# KiCad board PANEL7x5_ADS1293.kicad_pcb (continued)
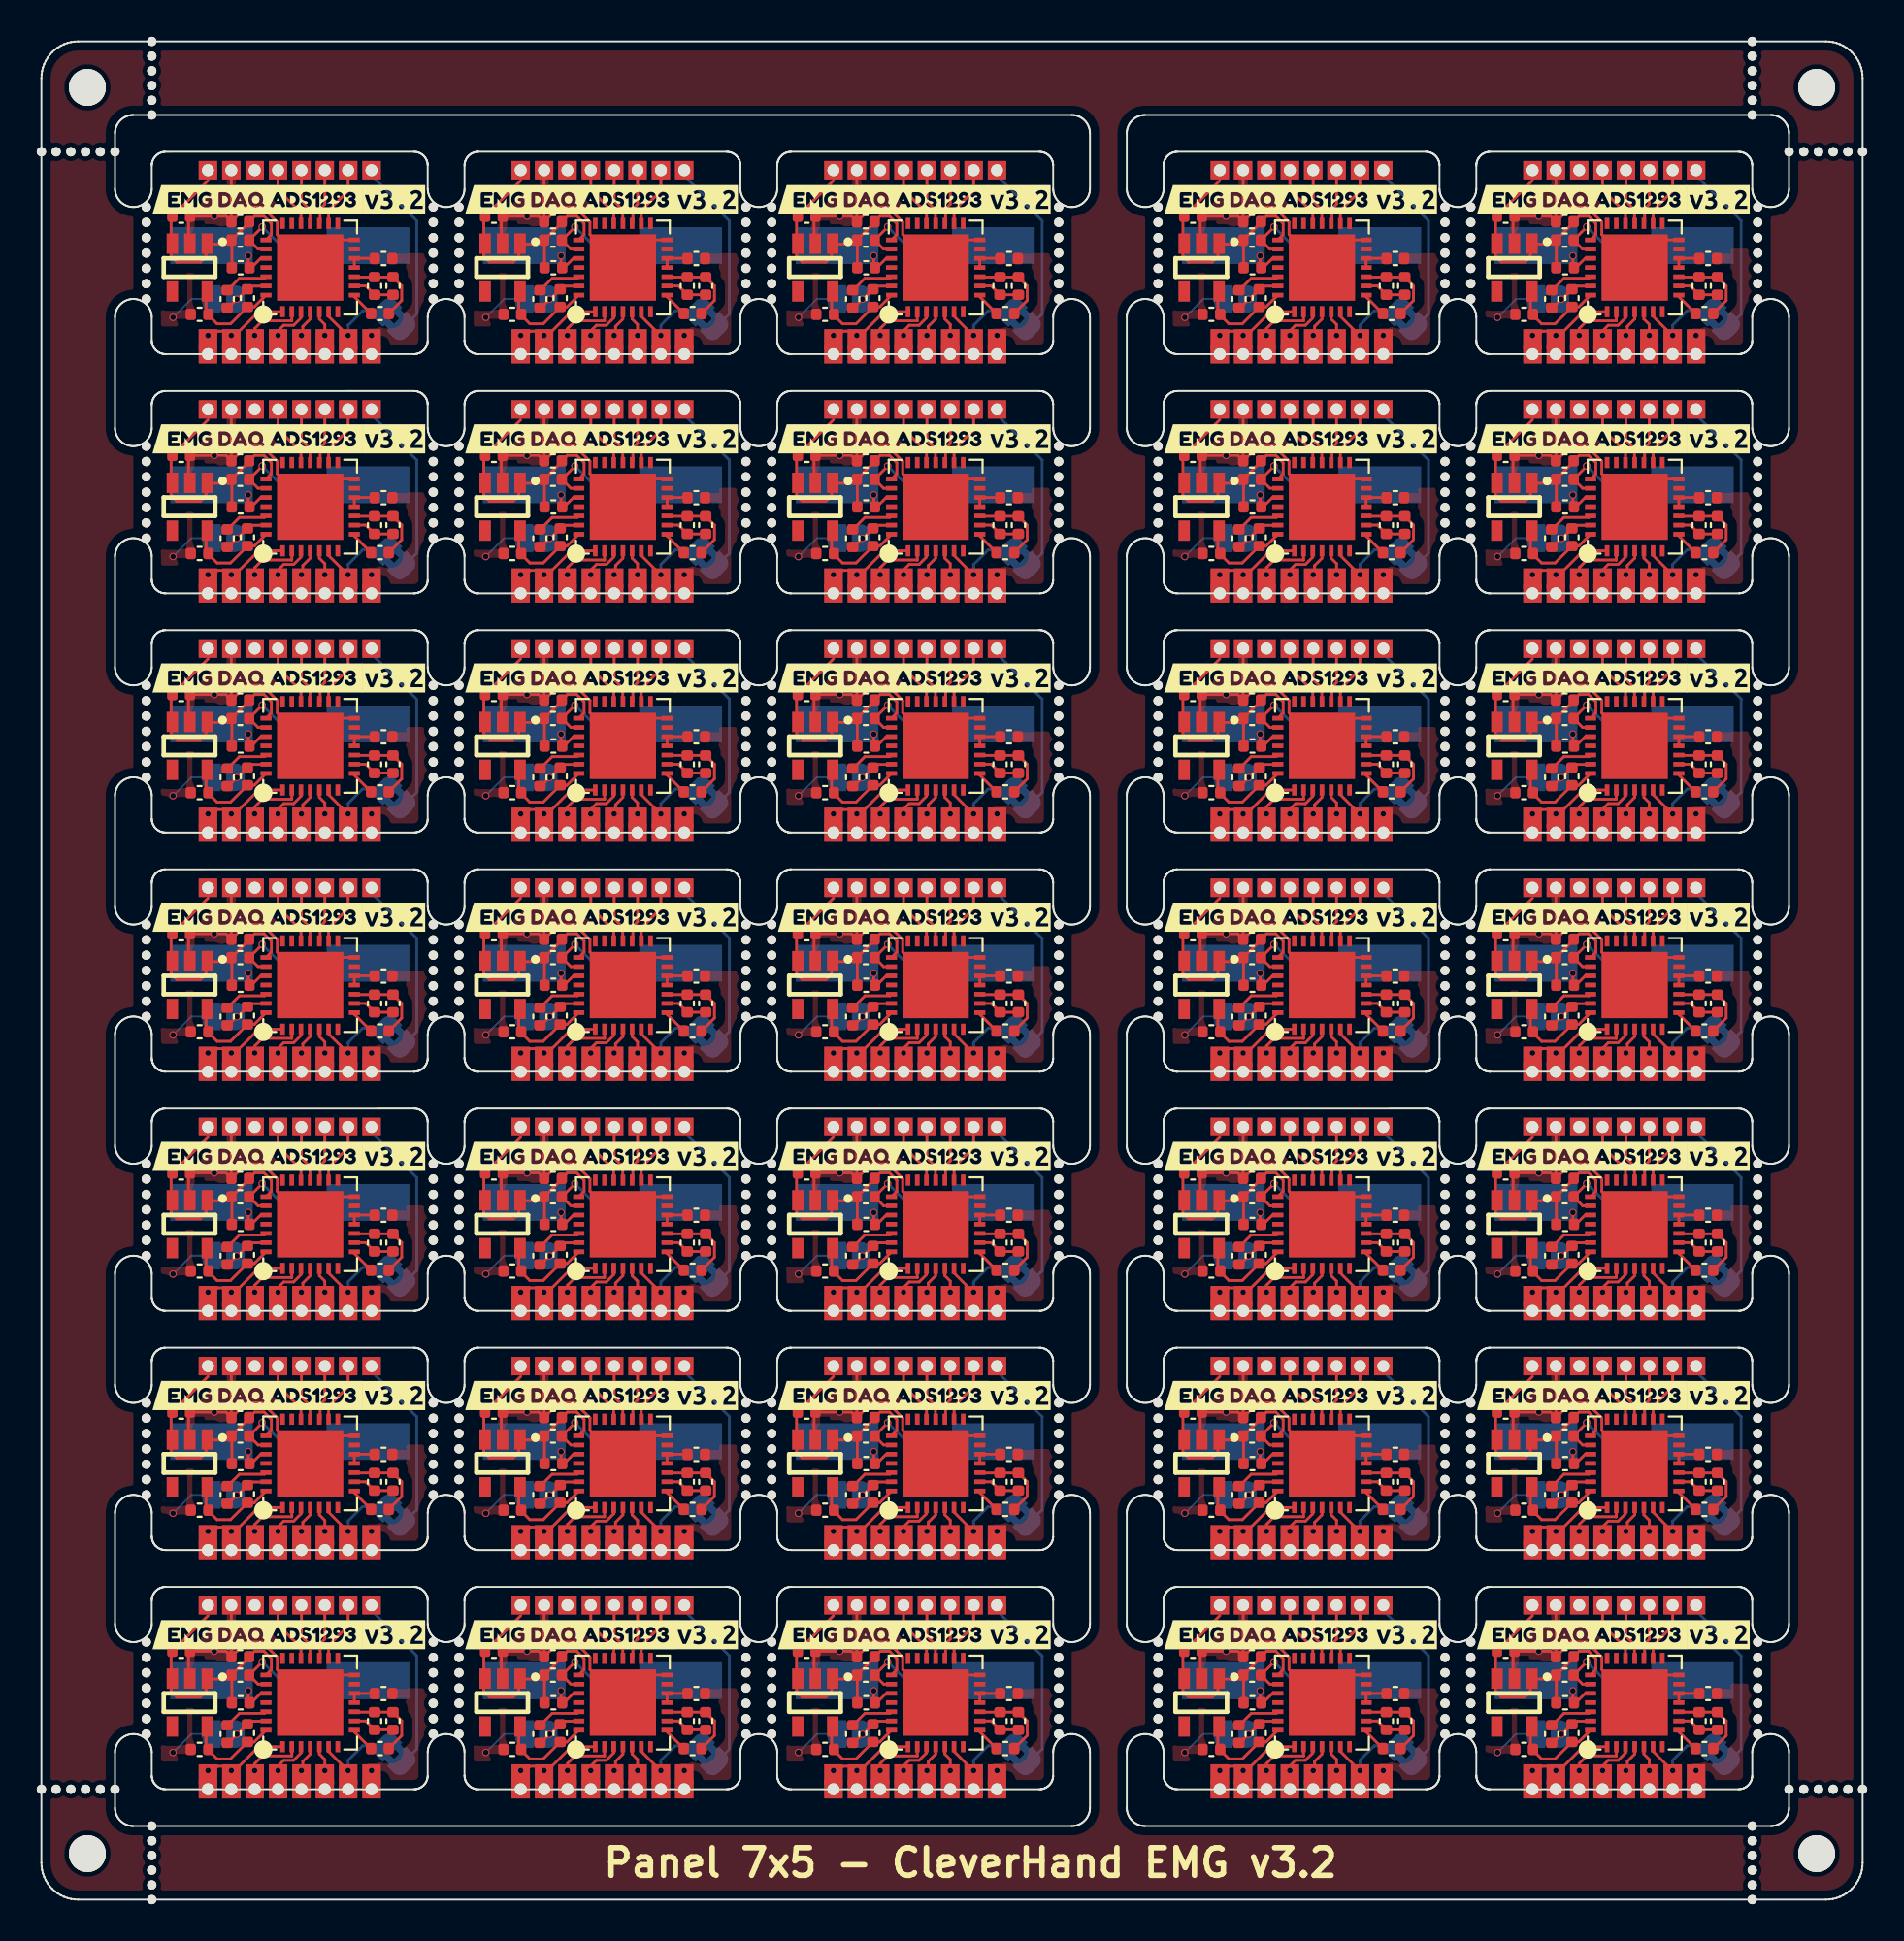
[diagram p0: board, top side]
## Placement (name value [footprint] x y rotation side) (continued)
J14  Conn_01x01_Pin  [PinHeader_1x01_P1.27mm_Vertical]  82.33 42 0 top
J14#2  Conn_01x01_Pin  [PinHeader_1x01_P1.27mm_Vertical]  44.33 68 0 top
J14#3  Conn_01x01_Pin  [PinHeader_1x01_P1.27mm_Vertical]  10.33 94 0 top
J14#4  Conn_01x01_Pin  [PinHeader_1x01_P1.27mm_Vertical]  27.33 29 0 top
J14#5  Conn_01x01_Pin  [PinHeader_1x01_P1.27mm_Vertical]  65.33 94 0 top
J14#6  Conn_01x01_Pin  [PinHeader_1x01_P1.27mm_Vertical]  27.33 68 0 top
J14#7  Conn_01x01_Pin  [PinHeader_1x01_P1.27mm_Vertical]  10.33 55 0 top
J14#8  Conn_01x01_Pin  [PinHeader_1x01_P1.27mm_Vertical]  82.33 68 0 top
J14#9  Conn_01x01_Pin  [PinHeader_1x01_P1.27mm_Vertical]  44.33 94 0 top
J14#10  Conn_01x01_Pin  [PinHeader_1x01_P1.27mm_Vertical]  10.33 16 0 top
J14#11  Conn_01x01_Pin  [PinHeader_1x01_P1.27mm_Vertical]  44.33 16 0 top
J14#12  Conn_01x01_Pin  [PinHeader_1x01_P1.27mm_Vertical]  65.33 29 0 top
J14#13  Conn_01x01_Pin  [PinHeader_1x01_P1.27mm_Vertical]  10.33 68 0 top
J14#14  Conn_01x01_Pin  [PinHeader_1x01_P1.27mm_Vertical]  44.33 29 0 top
J14#15  Conn_01x01_Pin  [PinHeader_1x01_P1.27mm_Vertical]  65.33 16 0 top
J14#16  Conn_01x01_Pin  [PinHeader_1x01_P1.27mm_Vertical]  27.33 42 0 top
J14#17  Conn_01x01_Pin  [PinHeader_1x01_P1.27mm_Vertical]  82.33 81 0 top
J14#18  Conn_01x01_Pin  [PinHeader_1x01_P1.27mm_Vertical]  10.33 29 0 top
J14#19  Conn_01x01_Pin  [PinHeader_1x01_P1.27mm_Vertical]  44.33 81 0 top
J14#20  Conn_01x01_Pin  [PinHeader_1x01_P1.27mm_Vertical]  65.33 55 0 top
J14#21  Conn_01x01_Pin  [PinHeader_1x01_P1.27mm_Vertical]  27.33 94 0 top
J14#22  Conn_01x01_Pin  [PinHeader_1x01_P1.27mm_Vertical]  82.33 94 0 top
J14#23  Conn_01x01_Pin  [PinHeader_1x01_P1.27mm_Vertical]  10.33 42 0 top
J14#24  Conn_01x01_Pin  [PinHeader_1x01_P1.27mm_Vertical]  82.33 16 0 top
J14#25  Conn_01x01_Pin  [PinHeader_1x01_P1.27mm_Vertical]  65.33 68 0 top
J14#26  Conn_01x01_Pin  [PinHeader_1x01_P1.27mm_Vertical]  82.33 55 0 top
J14#27  Conn_01x01_Pin  [PinHeader_1x01_P1.27mm_Vertical]  65.33 42 0 top
J14#28  Conn_01x01_Pin  [PinHeader_1x01_P1.27mm_Vertical]  10.33 81 0 top
J14#29  Conn_01x01_Pin  [PinHeader_1x01_P1.27mm_Vertical]  44.33 42 0 top
J14#30  Conn_01x01_Pin  [PinHeader_1x01_P1.27mm_Vertical]  27.33 16 0 top
J14#31  Conn_01x01_Pin  [PinHeader_1x01_P1.27mm_Vertical]  27.33 81 0 top
J14#32  Conn_01x01_Pin  [PinHeader_1x01_P1.27mm_Vertical]  27.33 55 0 top
J14#33  Conn_01x01_Pin  [PinHeader_1x01_P1.27mm_Vertical]  65.33 81 0 top
J14#34  Conn_01x01_Pin  [PinHeader_1x01_P1.27mm_Vertical]  82.33 29 0 top
J14#35  Conn_01x01_Pin  [PinHeader_1x01_P1.27mm_Vertical]  44.33 55 0 top
J15  Conn_01x01_Pin  [PinHeader_1x01_P1.27mm_Vertical]  33.68 84 0 top  (not fitted)
J15#2  Conn_01x01_Pin  [PinHeader_1x01_P1.27mm_Vertical]  16.68 32 0 top  (not fitted)
J15#3  Conn_01x01_Pin  [PinHeader_1x01_P1.27mm_Vertical]  16.68 19 0 top  (not fitted)
J15#4  Conn_01x01_Pin  [PinHeader_1x01_P1.27mm_Vertical]  50.68 58 0 top  (not fitted)
J15#5  Conn_01x01_Pin  [PinHeader_1x01_P1.27mm_Vertical]  71.67 71 0 top  (not fitted)
J15#6  Conn_01x01_Pin  [PinHeader_1x01_P1.27mm_Vertical]  88.68 6 0 top  (not fitted)
J15#7  Conn_01x01_Pin  [PinHeader_1x01_P1.27mm_Vertical]  88.68 58 0 top  (not fitted)
J15#8  Conn_01x01_Pin  [PinHeader_1x01_P1.27mm_Vertical]  88.68 19 0 top  (not fitted)
J15#9  Conn_01x01_Pin  [PinHeader_1x01_P1.27mm_Vertical]  16.68 6 0 top  (not fitted)
J15#10  Conn_01x01_Pin  [PinHeader_1x01_P1.27mm_Vertical]  71.67 58 0 top  (not fitted)
J15#11  Conn_01x01_Pin  [PinHeader_1x01_P1.27mm_Vertical]  88.68 71 0 top  (not fitted)
J15#12  Conn_01x01_Pin  [PinHeader_1x01_P1.27mm_Vertical]  50.68 71 0 top  (not fitted)
J15#13  Conn_01x01_Pin  [PinHeader_1x01_P1.27mm_Vertical]  33.68 6 0 top  (not fitted)
J15#14  Conn_01x01_Pin  [PinHeader_1x01_P1.27mm_Vertical]  50.68 32 0 top  (not fitted)
J15#15  Conn_01x01_Pin  [PinHeader_1x01_P1.27mm_Vertical]  71.67 19 0 top  (not fitted)
J15#16  Conn_01x01_Pin  [PinHeader_1x01_P1.27mm_Vertical]  33.68 71 0 top  (not fitted)
J15#17  Conn_01x01_Pin  [PinHeader_1x01_P1.27mm_Vertical]  16.68 58 0 top  (not fitted)
J15#18  Conn_01x01_Pin  [PinHeader_1x01_P1.27mm_Vertical]  71.67 84 0 top  (not fitted)
J15#19  Conn_01x01_Pin  [PinHeader_1x01_P1.27mm_Vertical]  71.67 45 0 top  (not fitted)
J15#20  Conn_01x01_Pin  [PinHeader_1x01_P1.27mm_Vertical]  88.68 32 0 top  (not fitted)
J15#21  Conn_01x01_Pin  [PinHeader_1x01_P1.27mm_Vertical]  33.68 58 0 top  (not fitted)
J15#22  Conn_01x01_Pin  [PinHeader_1x01_P1.27mm_Vertical]  33.68 19 0 top  (not fitted)
J15#23  Conn_01x01_Pin  [PinHeader_1x01_P1.27mm_Vertical]  33.68 45 0 top  (not fitted)
J15#24  Conn_01x01_Pin  [PinHeader_1x01_P1.27mm_Vertical]  88.68 84 0 top  (not fitted)
J15#25  Conn_01x01_Pin  [PinHeader_1x01_P1.27mm_Vertical]  50.68 84 0 top  (not fitted)
J15#26  Conn_01x01_Pin  [PinHeader_1x01_P1.27mm_Vertical]  16.68 45 0 top  (not fitted)
J15#27  Conn_01x01_Pin  [PinHeader_1x01_P1.27mm_Vertical]  50.68 45 0 top  (not fitted)
J15#28  Conn_01x01_Pin  [PinHeader_1x01_P1.27mm_Vertical]  50.68 6 0 top  (not fitted)
J15#29  Conn_01x01_Pin  [PinHeader_1x01_P1.27mm_Vertical]  50.68 19 0 top  (not fitted)
J15#30  Conn_01x01_Pin  [PinHeader_1x01_P1.27mm_Vertical]  88.68 45 0 top  (not fitted)
J15#31  Conn_01x01_Pin  [PinHeader_1x01_P1.27mm_Vertical]  71.67 32 0 top  (not fitted)
J15#32  Conn_01x01_Pin  [PinHeader_1x01_P1.27mm_Vertical]  16.68 71 0 top  (not fitted)
J15#33  Conn_01x01_Pin  [PinHeader_1x01_P1.27mm_Vertical]  16.68 84 0 top  (not fitted)
J15#34  Conn_01x01_Pin  [PinHeader_1x01_P1.27mm_Vertical]  71.67 6 0 top  (not fitted)
J15#35  Conn_01x01_Pin  [PinHeader_1x01_P1.27mm_Vertical]  33.68 32 0 top  (not fitted)
J16  Conn_01x01_Pin  [PinHeader_1x01_P1.27mm_Vertical]  34.95 71 180 top  (not fitted)
J16#2  Conn_01x01_Pin  [PinHeader_1x01_P1.27mm_Vertical]  34.95 19 180 top  (not fitted)
J16#3  Conn_01x01_Pin  [PinHeader_1x01_P1.27mm_Vertical]  72.94 84 180 top  (not fitted)
J16#4  Conn_01x01_Pin  [PinHeader_1x01_P1.27mm_Vertical]  17.95 19 180 top  (not fitted)
J16#5  Conn_01x01_Pin  [PinHeader_1x01_P1.27mm_Vertical]  17.95 71 180 top  (not fitted)
J16#6  Conn_01x01_Pin  [PinHeader_1x01_P1.27mm_Vertical]  51.95 84 180 top  (not fitted)
J16#7  Conn_01x01_Pin  [PinHeader_1x01_P1.27mm_Vertical]  89.94 6 180 top  (not fitted)
J16#8  Conn_01x01_Pin  [PinHeader_1x01_P1.27mm_Vertical]  89.94 32 180 top  (not fitted)
J16#9  Conn_01x01_Pin  [PinHeader_1x01_P1.27mm_Vertical]  89.94 71 180 top  (not fitted)
J16#10  Conn_01x01_Pin  [PinHeader_1x01_P1.27mm_Vertical]  34.95 45 180 top  (not fitted)
J16#11  Conn_01x01_Pin  [PinHeader_1x01_P1.27mm_Vertical]  89.94 58 180 top  (not fitted)
J16#12  Conn_01x01_Pin  [PinHeader_1x01_P1.27mm_Vertical]  51.95 6 180 top  (not fitted)
J16#13  Conn_01x01_Pin  [PinHeader_1x01_P1.27mm_Vertical]  34.95 6 180 top  (not fitted)
J16#14  Conn_01x01_Pin  [PinHeader_1x01_P1.27mm_Vertical]  89.94 19 180 top  (not fitted)
J16#15  Conn_01x01_Pin  [PinHeader_1x01_P1.27mm_Vertical]  34.95 58 180 top  (not fitted)
J16#16  Conn_01x01_Pin  [PinHeader_1x01_P1.27mm_Vertical]  34.95 84 180 top  (not fitted)
J16#17  Conn_01x01_Pin  [PinHeader_1x01_P1.27mm_Vertical]  17.95 6 180 top  (not fitted)
J16#18  Conn_01x01_Pin  [PinHeader_1x01_P1.27mm_Vertical]  51.95 32 180 top  (not fitted)
J16#19  Conn_01x01_Pin  [PinHeader_1x01_P1.27mm_Vertical]  17.95 32 180 top  (not fitted)
J16#20  Conn_01x01_Pin  [PinHeader_1x01_P1.27mm_Vertical]  51.95 58 180 top  (not fitted)
J16#21  Conn_01x01_Pin  [PinHeader_1x01_P1.27mm_Vertical]  72.94 19 180 top  (not fitted)
J16#22  Conn_01x01_Pin  [PinHeader_1x01_P1.27mm_Vertical]  51.95 45 180 top  (not fitted)
J16#23  Conn_01x01_Pin  [PinHeader_1x01_P1.27mm_Vertical]  72.94 58 180 top  (not fitted)
J16#24  Conn_01x01_Pin  [PinHeader_1x01_P1.27mm_Vertical]  51.95 71 180 top  (not fitted)
J16#25  Conn_01x01_Pin  [PinHeader_1x01_P1.27mm_Vertical]  72.94 32 180 top  (not fitted)
J16#26  Conn_01x01_Pin  [PinHeader_1x01_P1.27mm_Vertical]  51.95 19 180 top  (not fitted)
J16#27  Conn_01x01_Pin  [PinHeader_1x01_P1.27mm_Vertical]  17.95 84 180 top  (not fitted)
J16#28  Conn_01x01_Pin  [PinHeader_1x01_P1.27mm_Vertical]  72.94 6 180 top  (not fitted)
J16#29  Conn_01x01_Pin  [PinHeader_1x01_P1.27mm_Vertical]  17.95 45 180 top  (not fitted)
J16#30  Conn_01x01_Pin  [PinHeader_1x01_P1.27mm_Vertical]  89.94 84 180 top  (not fitted)
J16#31  Conn_01x01_Pin  [PinHeader_1x01_P1.27mm_Vertical]  17.95 58 180 top  (not fitted)
J16#32  Conn_01x01_Pin  [PinHeader_1x01_P1.27mm_Vertical]  89.94 45 180 top  (not fitted)
J16#33  Conn_01x01_Pin  [PinHeader_1x01_P1.27mm_Vertical]  72.94 45 180 top  (not fitted)
J16#34  Conn_01x01_Pin  [PinHeader_1x01_P1.27mm_Vertical]  34.95 32 180 top  (not fitted)
J16#35  Conn_01x01_Pin  [PinHeader_1x01_P1.27mm_Vertical]  72.94 71 180 top  (not fitted)
JP1  SolderJumper_2_Bridged  [SolderJumper-2_P1.3mm_Bridged2Bar_RoundedPad1.0x1.5mm]  64.91 87 0 bottom
JP1#2  SolderJumper_2_Bridged  [SolderJumper-2_P1.3mm_Bridged2Bar_RoundedPad1.0x1.5mm]  43.91 87 0 bottom
JP1#3  SolderJumper_2_Bridged  [SolderJumper-2_P1.3mm_Bridged2Bar_RoundedPad1.0x1.5mm]  9.91 74 0 bottom
JP1#4  SolderJumper_2_Bridged  [SolderJumper-2_P1.3mm_Bridged2Bar_RoundedPad1.0x1.5mm]  64.91 22 0 bottom
JP1#5  SolderJumper_2_Bridged  [SolderJumper-2_P1.3mm_Bridged2Bar_RoundedPad1.0x1.5mm]  43.91 22 0 bottom
JP1#6  SolderJumper_2_Bridged  [SolderJumper-2_P1.3mm_Bridged2Bar_RoundedPad1.0x1.5mm]  43.91 35 0 bottom
JP1#7  SolderJumper_2_Bridged  [SolderJumper-2_P1.3mm_Bridged2Bar_RoundedPad1.0x1.5mm]  64.91 74 0 bottom
JP1#8  SolderJumper_2_Bridged  [SolderJumper-2_P1.3mm_Bridged2Bar_RoundedPad1.0x1.5mm]  9.91 48 0 bottom
JP1#9  SolderJumper_2_Bridged  [SolderJumper-2_P1.3mm_Bridged2Bar_RoundedPad1.0x1.5mm]  43.91 9 0 bottom
JP1#10  SolderJumper_2_Bridged  [SolderJumper-2_P1.3mm_Bridged2Bar_RoundedPad1.0x1.5mm]  26.91 35 0 bottom
JP1#11  SolderJumper_2_Bridged  [SolderJumper-2_P1.3mm_Bridged2Bar_RoundedPad1.0x1.5mm]  43.91 61 0 bottom
JP1#12  SolderJumper_2_Bridged  [SolderJumper-2_P1.3mm_Bridged2Bar_RoundedPad1.0x1.5mm]  81.91 9 0 bottom
JP1#13  SolderJumper_2_Bridged  [SolderJumper-2_P1.3mm_Bridged2Bar_RoundedPad1.0x1.5mm]  9.91 61 0 bottom
JP1#14  SolderJumper_2_Bridged  [SolderJumper-2_P1.3mm_Bridged2Bar_RoundedPad1.0x1.5mm]  64.91 9 0 bottom
JP1#15  SolderJumper_2_Bridged  [SolderJumper-2_P1.3mm_Bridged2Bar_RoundedPad1.0x1.5mm]  43.91 48 0 bottom
JP1#16  SolderJumper_2_Bridged  [SolderJumper-2_P1.3mm_Bridged2Bar_RoundedPad1.0x1.5mm]  43.91 74 0 bottom
JP1#17  SolderJumper_2_Bridged  [SolderJumper-2_P1.3mm_Bridged2Bar_RoundedPad1.0x1.5mm]  9.91 35 0 bottom
JP1#18  SolderJumper_2_Bridged  [SolderJumper-2_P1.3mm_Bridged2Bar_RoundedPad1.0x1.5mm]  9.91 9 0 bottom
JP1#19  SolderJumper_2_Bridged  [SolderJumper-2_P1.3mm_Bridged2Bar_RoundedPad1.0x1.5mm]  81.91 48 0 bottom
JP1#20  SolderJumper_2_Bridged  [SolderJumper-2_P1.3mm_Bridged2Bar_RoundedPad1.0x1.5mm]  64.91 48 0 bottom
JP1#21  SolderJumper_2_Bridged  [SolderJumper-2_P1.3mm_Bridged2Bar_RoundedPad1.0x1.5mm]  81.91 74 0 bottom
JP1#22  SolderJumper_2_Bridged  [SolderJumper-2_P1.3mm_Bridged2Bar_RoundedPad1.0x1.5mm]  9.91 22 0 bottom
JP1#23  SolderJumper_2_Bridged  [SolderJumper-2_P1.3mm_Bridged2Bar_RoundedPad1.0x1.5mm]  26.91 61 0 bottom
JP1#24  SolderJumper_2_Bridged  [SolderJumper-2_P1.3mm_Bridged2Bar_RoundedPad1.0x1.5mm]  26.91 74 0 bottom
JP1#25  SolderJumper_2_Bridged  [SolderJumper-2_P1.3mm_Bridged2Bar_RoundedPad1.0x1.5mm]  64.91 35 0 bottom
JP1#26  SolderJumper_2_Bridged  [SolderJumper-2_P1.3mm_Bridged2Bar_RoundedPad1.0x1.5mm]  26.91 22 0 bottom
JP1#27  SolderJumper_2_Bridged  [SolderJumper-2_P1.3mm_Bridged2Bar_RoundedPad1.0x1.5mm]  81.91 61 0 bottom
JP1#28  SolderJumper_2_Bridged  [SolderJumper-2_P1.3mm_Bridged2Bar_RoundedPad1.0x1.5mm]  81.91 22 0 bottom
JP1#29  SolderJumper_2_Bridged  [SolderJumper-2_P1.3mm_Bridged2Bar_RoundedPad1.0x1.5mm]  81.91 87 0 bottom
JP1#30  SolderJumper_2_Bridged  [SolderJumper-2_P1.3mm_Bridged2Bar_RoundedPad1.0x1.5mm]  9.91 87 0 bottom
JP1#31  SolderJumper_2_Bridged  [SolderJumper-2_P1.3mm_Bridged2Bar_RoundedPad1.0x1.5mm]  26.91 87 0 bottom
JP1#32  SolderJumper_2_Bridged  [SolderJumper-2_P1.3mm_Bridged2Bar_RoundedPad1.0x1.5mm]  81.91 35 0 bottom
JP1#33  SolderJumper_2_Bridged  [SolderJumper-2_P1.3mm_Bridged2Bar_RoundedPad1.0x1.5mm]  26.91 48 0 bottom
JP1#34  SolderJumper_2_Bridged  [SolderJumper-2_P1.3mm_Bridged2Bar_RoundedPad1.0x1.5mm]  26.91 9 0 bottom
JP1#35  SolderJumper_2_Bridged  [SolderJumper-2_P1.3mm_Bridged2Bar_RoundedPad1.0x1.5mm]  64.91 61 0 bottom
JP2  SolderJumper_2_Bridged  [SolderJumper-2_P1.3mm_Bridged2Bar_RoundedPad1.0x1.5mm]  36.2 46.9 135 bottom
JP2#2  SolderJumper_2_Bridged  [SolderJumper-2_P1.3mm_Bridged2Bar_RoundedPad1.0x1.5mm]  19.2 33.9 135 bottom
JP2#3  SolderJumper_2_Bridged  [SolderJumper-2_P1.3mm_Bridged2Bar_RoundedPad1.0x1.5mm]  36.2 85.9 135 bottom
JP2#4  SolderJumper_2_Bridged  [SolderJumper-2_P1.3mm_Bridged2Bar_RoundedPad1.0x1.5mm]  19.2 46.9 135 bottom
JP2#5  SolderJumper_2_Bridged  [SolderJumper-2_P1.3mm_Bridged2Bar_RoundedPad1.0x1.5mm]  36.2 7.9 135 bottom
JP2#6  SolderJumper_2_Bridged  [SolderJumper-2_P1.3mm_Bridged2Bar_RoundedPad1.0x1.5mm]  19.2 20.9 135 bottom
JP2#7  SolderJumper_2_Bridged  [SolderJumper-2_P1.3mm_Bridged2Bar_RoundedPad1.0x1.5mm]  19.2 85.9 135 bottom
JP2#8  SolderJumper_2_Bridged  [SolderJumper-2_P1.3mm_Bridged2Bar_RoundedPad1.0x1.5mm]  74.2 20.9 135 bottom
JP2#9  SolderJumper_2_Bridged  [SolderJumper-2_P1.3mm_Bridged2Bar_RoundedPad1.0x1.5mm]  36.2 20.9 135 bottom
JP2#10  SolderJumper_2_Bridged  [SolderJumper-2_P1.3mm_Bridged2Bar_RoundedPad1.0x1.5mm]  74.2 46.9 135 bottom
JP2#11  SolderJumper_2_Bridged  [SolderJumper-2_P1.3mm_Bridged2Bar_RoundedPad1.0x1.5mm]  53.2 72.9 135 bottom
JP2#12  SolderJumper_2_Bridged  [SolderJumper-2_P1.3mm_Bridged2Bar_RoundedPad1.0x1.5mm]  91.2 7.9 135 bottom
JP2#13  SolderJumper_2_Bridged  [SolderJumper-2_P1.3mm_Bridged2Bar_RoundedPad1.0x1.5mm]  91.2 33.9 135 bottom
JP2#14  SolderJumper_2_Bridged  [SolderJumper-2_P1.3mm_Bridged2Bar_RoundedPad1.0x1.5mm]  19.2 72.9 135 bottom
JP2#15  SolderJumper_2_Bridged  [SolderJumper-2_P1.3mm_Bridged2Bar_RoundedPad1.0x1.5mm]  74.2 72.9 135 bottom
JP2#16  SolderJumper_2_Bridged  [SolderJumper-2_P1.3mm_Bridged2Bar_RoundedPad1.0x1.5mm]  36.2 59.9 135 bottom
JP2#17  SolderJumper_2_Bridged  [SolderJumper-2_P1.3mm_Bridged2Bar_RoundedPad1.0x1.5mm]  74.2 7.9 135 bottom
JP2#18  SolderJumper_2_Bridged  [SolderJumper-2_P1.3mm_Bridged2Bar_RoundedPad1.0x1.5mm]  53.2 7.9 135 bottom
JP2#19  SolderJumper_2_Bridged  [SolderJumper-2_P1.3mm_Bridged2Bar_RoundedPad1.0x1.5mm]  36.2 33.9 135 bottom
JP2#20  SolderJumper_2_Bridged  [SolderJumper-2_P1.3mm_Bridged2Bar_RoundedPad1.0x1.5mm]  53.2 85.9 135 bottom
JP2#21  SolderJumper_2_Bridged  [SolderJumper-2_P1.3mm_Bridged2Bar_RoundedPad1.0x1.5mm]  74.2 33.9 135 bottom
JP2#22  SolderJumper_2_Bridged  [SolderJumper-2_P1.3mm_Bridged2Bar_RoundedPad1.0x1.5mm]  19.2 7.9 135 bottom
JP2#23  SolderJumper_2_Bridged  [SolderJumper-2_P1.3mm_Bridged2Bar_RoundedPad1.0x1.5mm]  91.2 72.9 135 bottom
JP2#24  SolderJumper_2_Bridged  [SolderJumper-2_P1.3mm_Bridged2Bar_RoundedPad1.0x1.5mm]  74.2 59.9 135 bottom
JP2#25  SolderJumper_2_Bridged  [SolderJumper-2_P1.3mm_Bridged2Bar_RoundedPad1.0x1.5mm]  74.2 85.9 135 bottom
JP2#26  SolderJumper_2_Bridged  [SolderJumper-2_P1.3mm_Bridged2Bar_RoundedPad1.0x1.5mm]  19.2 59.9 135 bottom
JP2#27  SolderJumper_2_Bridged  [SolderJumper-2_P1.3mm_Bridged2Bar_RoundedPad1.0x1.5mm]  53.2 46.9 135 bottom
JP2#28  SolderJumper_2_Bridged  [SolderJumper-2_P1.3mm_Bridged2Bar_RoundedPad1.0x1.5mm]  91.2 59.9 135 bottom
JP2#29  SolderJumper_2_Bridged  [SolderJumper-2_P1.3mm_Bridged2Bar_RoundedPad1.0x1.5mm]  91.2 85.9 135 bottom
JP2#30  SolderJumper_2_Bridged  [SolderJumper-2_P1.3mm_Bridged2Bar_RoundedPad1.0x1.5mm]  53.2 59.9 135 bottom
JP2#31  SolderJumper_2_Bridged  [SolderJumper-2_P1.3mm_Bridged2Bar_RoundedPad1.0x1.5mm]  53.2 20.9 135 bottom
JP2#32  SolderJumper_2_Bridged  [SolderJumper-2_P1.3mm_Bridged2Bar_RoundedPad1.0x1.5mm]  91.2 20.9 135 bottom
JP2#33  SolderJumper_2_Bridged  [SolderJumper-2_P1.3mm_Bridged2Bar_RoundedPad1.0x1.5mm]  53.2 33.9 135 bottom
JP2#34  SolderJumper_2_Bridged  [SolderJumper-2_P1.3mm_Bridged2Bar_RoundedPad1.0x1.5mm]  91.2 46.9 135 bottom
JP2#35  SolderJumper_2_Bridged  [SolderJumper-2_P1.3mm_Bridged2Bar_RoundedPad1.0x1.5mm]  36.2 72.9 135 bottom
kibuzzard-66CB9060  G***  [kibuzzard-66CB9060]  53.16 66.4 0 top
kibuzzard-66CB9060#2  G***  [kibuzzard-66CB9060]  91.16 92.4 0 top
kibuzzard-66CB9060#3  G***  [kibuzzard-66CB9060]  91.16 79.4 0 top
kibuzzard-66CB9060#4  G***  [kibuzzard-66CB9060]  19.16 27.4 0 top
kibuzzard-66CB9060#5  G***  [kibuzzard-66CB9060]  53.16 14.4 0 top
kibuzzard-66CB9060#6  G***  [kibuzzard-66CB9060]  36.16 66.4 0 top
kibuzzard-66CB9060#7  G***  [kibuzzard-66CB9060]  36.16 53.4 0 top
kibuzzard-66CB9060#8  G***  [kibuzzard-66CB9060]  74.16 79.4 0 top
kibuzzard-66CB9060#9  G***  [kibuzzard-66CB9060]  74.16 66.4 0 top
kibuzzard-66CB9060#10  G***  [kibuzzard-66CB9060]  53.16 27.4 0 top
kibuzzard-66CB9060#11  G***  [kibuzzard-66CB9060]  19.16 40.4 0 top
kibuzzard-66CB9060#12  G***  [kibuzzard-66CB9060]  36.16 79.4 0 top
kibuzzard-66CB9060#13  G***  [kibuzzard-66CB9060]  91.16 53.4 0 top
kibuzzard-66CB9060#14  G***  [kibuzzard-66CB9060]  36.16 92.4 0 top
kibuzzard-66CB9060#15  G***  [kibuzzard-66CB9060]  53.16 92.4 0 top
kibuzzard-66CB9060#16  G***  [kibuzzard-66CB9060]  19.16 79.4 0 top
kibuzzard-66CB9060#17  G***  [kibuzzard-66CB9060]  91.16 14.4 0 top
kibuzzard-66CB9060#18  G***  [kibuzzard-66CB9060]  91.16 40.4 0 top
kibuzzard-66CB9060#19  G***  [kibuzzard-66CB9060]  36.16 40.4 0 top
kibuzzard-66CB9060#20  G***  [kibuzzard-66CB9060]  36.16 14.4 0 top
kibuzzard-66CB9060#21  G***  [kibuzzard-66CB9060]  91.16 66.4 0 top
kibuzzard-66CB9060#22  G***  [kibuzzard-66CB9060]  74.16 92.4 0 top
kibuzzard-66CB9060#23  G***  [kibuzzard-66CB9060]  19.16 92.4 0 top
kibuzzard-66CB9060#24  G***  [kibuzzard-66CB9060]  19.16 14.4 0 top
kibuzzard-66CB9060#25  G***  [kibuzzard-66CB9060]  19.16 53.4 0 top
kibuzzard-66CB9060#26  G***  [kibuzzard-66CB9060]  53.16 53.4 0 top
kibuzzard-66CB9060#27  G***  [kibuzzard-66CB9060]  74.16 53.4 0 top
kibuzzard-66CB9060#28  G***  [kibuzzard-66CB9060]  91.16 27.4 0 top
kibuzzard-66CB9060#29  G***  [kibuzzard-66CB9060]  74.16 40.4 0 top
kibuzzard-66CB9060#30  G***  [kibuzzard-66CB9060]  53.16 40.4 0 top
kibuzzard-66CB9060#31  G***  [kibuzzard-66CB9060]  74.16 14.4 0 top
kibuzzard-66CB9060#32  G***  [kibuzzard-66CB9060]  36.16 27.4 0 top
kibuzzard-66CB9060#33  G***  [kibuzzard-66CB9060]  74.16 27.4 0 top
kibuzzard-66CB9060#34  G***  [kibuzzard-66CB9060]  53.16 79.4 0 top
kibuzzard-66CB9060#35  G***  [kibuzzard-66CB9060]  19.16 66.4 0 top
kibuzzard-658D7E24  G***  [kibuzzard-658D7E24]  45.76 79.4 0 top
kibuzzard-658D7E24#2  G***  [kibuzzard-658D7E24]  45.76 66.4 0 top
kibuzzard-658D7E24#3  G***  [kibuzzard-658D7E24]  83.75 14.4 0 top
kibuzzard-658D7E24#4  G***  [kibuzzard-658D7E24]  28.76 14.4 0 top
kibuzzard-658D7E24#5  G***  [kibuzzard-658D7E24]  66.75 79.4 0 top
kibuzzard-658D7E24#6  G***  [kibuzzard-658D7E24]  28.76 53.4 0 top
kibuzzard-658D7E24#7  G***  [kibuzzard-658D7E24]  11.76 14.4 0 top
kibuzzard-658D7E24#8  G***  [kibuzzard-658D7E24]  83.75 27.4 0 top
kibuzzard-658D7E24#9  G***  [kibuzzard-658D7E24]  66.75 53.4 0 top
kibuzzard-658D7E24#10  G***  [kibuzzard-658D7E24]  83.75 40.4 0 top
kibuzzard-658D7E24#11  G***  [kibuzzard-658D7E24]  66.75 92.4 0 top
kibuzzard-658D7E24#12  G***  [kibuzzard-658D7E24]  66.75 40.4 0 top
kibuzzard-658D7E24#13  G***  [kibuzzard-658D7E24]  45.76 53.4 0 top
kibuzzard-658D7E24#14  G***  [kibuzzard-658D7E24]  11.76 92.4 0 top
kibuzzard-658D7E24#15  G***  [kibuzzard-658D7E24]  28.76 66.4 0 top
kibuzzard-658D7E24#16  G***  [kibuzzard-658D7E24]  28.76 92.4 0 top
kibuzzard-658D7E24#17  G***  [kibuzzard-658D7E24]  45.76 14.4 0 top
kibuzzard-658D7E24#18  G***  [kibuzzard-658D7E24]  66.75 27.4 0 top
kibuzzard-658D7E24#19  G***  [kibuzzard-658D7E24]  83.75 79.4 0 top
kibuzzard-658D7E24#20  G***  [kibuzzard-658D7E24]  11.76 66.4 0 top
kibuzzard-658D7E24#21  G***  [kibuzzard-658D7E24]  11.76 53.4 0 top
kibuzzard-658D7E24#22  G***  [kibuzzard-658D7E24]  45.76 27.4 0 top
kibuzzard-658D7E24#23  G***  [kibuzzard-658D7E24]  11.76 79.4 0 top
kibuzzard-658D7E24#24  G***  [kibuzzard-658D7E24]  66.75 66.4 0 top
kibuzzard-658D7E24#25  G***  [kibuzzard-658D7E24]  45.76 92.4 0 top
kibuzzard-658D7E24#26  G***  [kibuzzard-658D7E24]  83.75 53.4 0 top
kibuzzard-658D7E24#27  G***  [kibuzzard-658D7E24]  83.75 92.4 0 top
kibuzzard-658D7E24#28  G***  [kibuzzard-658D7E24]  11.76 27.4 0 top
kibuzzard-658D7E24#29  G***  [kibuzzard-658D7E24]  66.75 14.4 0 top
kibuzzard-658D7E24#30  G***  [kibuzzard-658D7E24]  28.76 27.4 0 top
kibuzzard-658D7E24#31  G***  [kibuzzard-658D7E24]  28.76 40.4 0 top
kibuzzard-658D7E24#32  G***  [kibuzzard-658D7E24]  11.76 40.4 0 top
kibuzzard-658D7E24#33  G***  [kibuzzard-658D7E24]  28.76 79.4 0 top
kibuzzard-658D7E24#34  G***  [kibuzzard-658D7E24]  83.75 66.4 0 top
kibuzzard-658D7E24#35  G***  [kibuzzard-658D7E24]  45.76 40.4 0 top
KiKit_MB_1_1  -  [NPTH]  5.7 87 0 top
KiKit_MB_1_2  -  [NPTH]  5.7 87.83 0 top
KiKit_MB_1_3  -  [NPTH]  5.7 88.67 0 top
KiKit_MB_1_4  -  [NPTH]  5.7 89.5 0 top
KiKit_MB_1_5  -  [NPTH]  5.7 90.33 0 top
KiKit_MB_1_6  -  [NPTH]  5.7 91.17 0 top
KiKit_MB_1_7  -  [NPTH]  5.7 92 0 top
KiKit_MB_2_1  -  [NPTH]  21.3 92 0 top
KiKit_MB_2_2  -  [NPTH]  21.3 91.17 0 top
KiKit_MB_2_3  -  [NPTH]  21.3 90.33 0 top
KiKit_MB_2_4  -  [NPTH]  21.3 89.5 0 top
KiKit_MB_2_5  -  [NPTH]  21.3 88.67 0 top
KiKit_MB_2_6  -  [NPTH]  21.3 87.83 0 top
KiKit_MB_2_7  -  [NPTH]  21.3 87 0 top
KiKit_MB_3_1  -  [NPTH]  22.7 87 0 top
KiKit_MB_3_2  -  [NPTH]  22.7 87.83 0 top
KiKit_MB_3_3  -  [NPTH]  22.7 88.67 0 top
KiKit_MB_3_4  -  [NPTH]  22.7 89.5 0 top
KiKit_MB_3_5  -  [NPTH]  22.7 90.33 0 top
KiKit_MB_3_6  -  [NPTH]  22.7 91.17 0 top
KiKit_MB_3_7  -  [NPTH]  22.7 92 0 top
KiKit_MB_4_1  -  [NPTH]  38.3 92 0 top
KiKit_MB_4_2  -  [NPTH]  38.3 91.17 0 top
KiKit_MB_4_3  -  [NPTH]  38.3 90.33 0 top
KiKit_MB_4_4  -  [NPTH]  38.3 89.5 0 top
KiKit_MB_4_5  -  [NPTH]  38.3 88.67 0 top
KiKit_MB_4_6  -  [NPTH]  38.3 87.83 0 top
KiKit_MB_4_7  -  [NPTH]  38.3 87 0 top
KiKit_MB_5_1  -  [NPTH]  39.7 87 0 top
KiKit_MB_5_2  -  [NPTH]  39.7 87.83 0 top
KiKit_MB_5_3  -  [NPTH]  39.7 88.67 0 top
KiKit_MB_5_4  -  [NPTH]  39.7 89.5 0 top
KiKit_MB_5_5  -  [NPTH]  39.7 90.33 0 top
KiKit_MB_5_6  -  [NPTH]  39.7 91.17 0 top
KiKit_MB_5_7  -  [NPTH]  39.7 92 0 top
KiKit_MB_6_1  -  [NPTH]  55.3 92 0 top
KiKit_MB_6_2  -  [NPTH]  55.3 91.17 0 top
KiKit_MB_6_3  -  [NPTH]  55.3 90.33 0 top
KiKit_MB_6_4  -  [NPTH]  55.3 89.5 0 top
KiKit_MB_6_5  -  [NPTH]  55.3 88.67 0 top
KiKit_MB_6_6  -  [NPTH]  55.3 87.83 0 top
KiKit_MB_6_7  -  [NPTH]  55.3 87 0 top
KiKit_MB_7_1  -  [NPTH]  60.7 87 0 top
KiKit_MB_7_2  -  [NPTH]  60.7 87.83 0 top
KiKit_MB_7_3  -  [NPTH]  60.7 88.67 0 top
KiKit_MB_7_4  -  [NPTH]  60.7 89.5 0 top
KiKit_MB_7_5  -  [NPTH]  60.7 90.33 0 top
KiKit_MB_7_6  -  [NPTH]  60.7 91.17 0 top
KiKit_MB_7_7  -  [NPTH]  60.7 92 0 top
KiKit_MB_8_1  -  [NPTH]  76.3 92 0 top
KiKit_MB_8_2  -  [NPTH]  76.3 91.17 0 top
KiKit_MB_8_3  -  [NPTH]  76.3 90.33 0 top
KiKit_MB_8_4  -  [NPTH]  76.3 89.5 0 top
KiKit_MB_8_5  -  [NPTH]  76.3 88.67 0 top
KiKit_MB_8_6  -  [NPTH]  76.3 87.83 0 top
KiKit_MB_8_7  -  [NPTH]  76.3 87 0 top
KiKit_MB_9_1  -  [NPTH]  77.7 87 0 top
KiKit_MB_9_2  -  [NPTH]  77.7 87.83 0 top
KiKit_MB_9_3  -  [NPTH]  77.7 88.67 0 top
KiKit_MB_9_4  -  [NPTH]  77.7 89.5 0 top
KiKit_MB_9_5  -  [NPTH]  77.7 90.33 0 top
KiKit_MB_9_6  -  [NPTH]  77.7 91.17 0 top
KiKit_MB_9_7  -  [NPTH]  77.7 92 0 top
KiKit_MB_10_1  -  [NPTH]  93.3 92 0 top
KiKit_MB_10_2  -  [NPTH]  93.3 91.17 0 top
KiKit_MB_10_3  -  [NPTH]  93.3 90.33 0 top
KiKit_MB_10_4  -  [NPTH]  93.3 89.5 0 top
KiKit_MB_10_5  -  [NPTH]  93.3 88.67 0 top
KiKit_MB_10_6  -  [NPTH]  93.3 87.83 0 top
KiKit_MB_10_7  -  [NPTH]  93.3 87 0 top
KiKit_MB_11_1  -  [NPTH]  5.7 74 0 top
KiKit_MB_11_2  -  [NPTH]  5.7 74.83 0 top
KiKit_MB_11_3  -  [NPTH]  5.7 75.67 0 top
KiKit_MB_11_4  -  [NPTH]  5.7 76.5 0 top
KiKit_MB_11_5  -  [NPTH]  5.7 77.33 0 top
KiKit_MB_11_6  -  [NPTH]  5.7 78.17 0 top
KiKit_MB_11_7  -  [NPTH]  5.7 79 0 top
KiKit_MB_12_1  -  [NPTH]  21.3 79 0 top
KiKit_MB_12_2  -  [NPTH]  21.3 78.17 0 top
KiKit_MB_12_3  -  [NPTH]  21.3 77.33 0 top
KiKit_MB_12_4  -  [NPTH]  21.3 76.5 0 top
KiKit_MB_12_5  -  [NPTH]  21.3 75.67 0 top
KiKit_MB_12_6  -  [NPTH]  21.3 74.83 0 top
KiKit_MB_12_7  -  [NPTH]  21.3 74 0 top
KiKit_MB_13_1  -  [NPTH]  22.7 74 0 top
KiKit_MB_13_2  -  [NPTH]  22.7 74.83 0 top
KiKit_MB_13_3  -  [NPTH]  22.7 75.67 0 top
KiKit_MB_13_4  -  [NPTH]  22.7 76.5 0 top
KiKit_MB_13_5  -  [NPTH]  22.7 77.33 0 top
KiKit_MB_13_6  -  [NPTH]  22.7 78.17 0 top
KiKit_MB_13_7  -  [NPTH]  22.7 79 0 top
KiKit_MB_14_1  -  [NPTH]  38.3 79 0 top
KiKit_MB_14_2  -  [NPTH]  38.3 78.17 0 top
KiKit_MB_14_3  -  [NPTH]  38.3 77.33 0 top
KiKit_MB_14_4  -  [NPTH]  38.3 76.5 0 top
KiKit_MB_14_5  -  [NPTH]  38.3 75.67 0 top
KiKit_MB_14_6  -  [NPTH]  38.3 74.83 0 top
KiKit_MB_14_7  -  [NPTH]  38.3 74 0 top
KiKit_MB_15_1  -  [NPTH]  39.7 74 0 top
KiKit_MB_15_2  -  [NPTH]  39.7 74.83 0 top
KiKit_MB_15_3  -  [NPTH]  39.7 75.67 0 top
KiKit_MB_15_4  -  [NPTH]  39.7 76.5 0 top
KiKit_MB_15_5  -  [NPTH]  39.7 77.33 0 top
KiKit_MB_15_6  -  [NPTH]  39.7 78.17 0 top
KiKit_MB_15_7  -  [NPTH]  39.7 79 0 top
KiKit_MB_16_1  -  [NPTH]  55.3 79 0 top
KiKit_MB_16_2  -  [NPTH]  55.3 78.17 0 top
KiKit_MB_16_3  -  [NPTH]  55.3 77.33 0 top
KiKit_MB_16_4  -  [NPTH]  55.3 76.5 0 top
KiKit_MB_16_5  -  [NPTH]  55.3 75.67 0 top
KiKit_MB_16_6  -  [NPTH]  55.3 74.83 0 top
KiKit_MB_16_7  -  [NPTH]  55.3 74 0 top
KiKit_MB_17_1  -  [NPTH]  60.7 74 0 top
KiKit_MB_17_2  -  [NPTH]  60.7 74.83 0 top
KiKit_MB_17_3  -  [NPTH]  60.7 75.67 0 top
KiKit_MB_17_4  -  [NPTH]  60.7 76.5 0 top